# Allegro board LED_FIN.brd (continued)
## Routing (per net, layer and track width the routed paths; a pad name or vN(x,y) marks a point on that pad's centre or on a via; arc(x,y) is an arc through that point) (continued)
ROW_OUT_A4: length 240
  TOP w0.6: U34.1 38.35,327.7 D991.3 D992.3 D993.3 D994.3 D995.3 D996.3 D997.3 D998.3 D999.3 D1000.3 D1001.3 D1002.3 D1003.3 D1004.3 D1005.3 D1006.3 D1007.3 D1008.3 D1009.3 D1010.3 D1011.3 D1012.3 D1013.3 D1014.3 D1015.3 D1016.3 D1017.3 D1018.3 D1019.3 D1020.3 D2131.3 D2132.3 D2133.3 D2134.3 D2135.3 D2136.3 D2137.3 D2138.3 D2139.3 D2140.3 D2141.3 D2142.3 D2143.3 D2144.3 D2145.3 D2146.3 D2147.3 D2148.3 D2149.3 D2150.3 D2151.3 D2152.3 D2153.3 D2154.3 D2155.3 D2156.3 D2157.3 D2158.3 D2159.3 D2160.3 D3271.3 D3272.3 D3273.3 D3274.3 D3275.3 D3276.3 D3277.3 D3278.3 D3279.3 D3280.3 D3281.3 D3282.3 D3283.3 D3284.3 D3285.3 D3286.3 D3287.3 D3288.3 D3289.3 D3290.3 D3291.3 D3292.3 D3293.3 D3294.3 D3295.3 D3296.3 D3297.3 D3298.3 D3299.3 D3300.3 D4411.3 D4412.3 D4413.3 D4414.3 D4415.3 D4416.3 D4417.3 D4418.3 D4419.3 D4420.3 D4421.3 D4422.3 D4423.3 D4424.3 D4425.3 D4426.3 D4427.3 D4428.3 D4429.3 D4430.3 D4431.3 D4432.3 D4433.3 D4434.3 D4435.3 D4436.3 D4437.3 D4438.3 D4439.3 D4440.3
ROW_OUT_A5: length 240
  TOP w0.6: U33.1 38.35,329.7 D961.3 D962.3 D963.3 D964.3 D965.3 D966.3 D967.3 D968.3 D969.3 D970.3 D971.3 D972.3 D973.3 D974.3 D975.3 D976.3 D977.3 D978.3 D979.3 D980.3 D981.3 D982.3 D983.3 D984.3 D985.3 D986.3 D987.3 D988.3 D989.3 D990.3 D2101.3 D2102.3 D2103.3 D2104.3 D2105.3 D2106.3 D2107.3 D2108.3 D2109.3 D2110.3 D2111.3 D2112.3 D2113.3 D2114.3 D2115.3 D2116.3 D2117.3 D2118.3 D2119.3 D2120.3 D2121.3 D2122.3 D2123.3 D2124.3 D2125.3 D2126.3 D2127.3 D2128.3 D2129.3 D2130.3 D3241.3 D3242.3 D3243.3 D3244.3 D3245.3 D3246.3 D3247.3 D3248.3 D3249.3 D3250.3 D3251.3 D3252.3 D3253.3 D3254.3 D3255.3 D3256.3 D3257.3 D3258.3 D3259.3 D3260.3 D3261.3 D3262.3 D3263.3 D3264.3 D3265.3 D3266.3 D3267.3 D3268.3 D3269.3 D3270.3 D4381.3 D4382.3 D4383.3 D4384.3 D4385.3 D4386.3 D4387.3 D4388.3 D4389.3 D4390.3 D4391.3 D4392.3 D4393.3 D4394.3 D4395.3 D4396.3 D4397.3 D4398.3 D4399.3 D4400.3 D4401.3 D4402.3 D4403.3 D4404.3 D4405.3 D4406.3 D4407.3 D4408.3 D4409.3 D4410.3
ROW_OUT_A6: length 240
  TOP w0.6: U32.1 38.35,331.7 D931.3 D932.3 D933.3 D934.3 D935.3 D936.3 D937.3 D938.3 D939.3 D940.3 D941.3 D942.3 D943.3 D944.3 D945.3 D946.3 D947.3 D948.3 D949.3 D950.3 D951.3 D952.3 D953.3 D954.3 D955.3 D956.3 D957.3 D958.3 D959.3 D960.3 D2071.3 D2072.3 D2073.3 D2074.3 D2075.3 D2076.3 D2077.3 D2078.3 D2079.3 D2080.3 D2081.3 D2082.3 D2083.3 D2084.3 D2085.3 D2086.3 D2087.3 D2088.3 D2089.3 D2090.3 D2091.3 D2092.3 D2093.3 D2094.3 D2095.3 D2096.3 D2097.3 D2098.3 D2099.3 D2100.3 D3211.3 D3212.3 D3213.3 D3214.3 D3215.3 D3216.3 D3217.3 D3218.3 D3219.3 D3220.3 D3221.3 D3222.3 D3223.3 D3224.3 D3225.3 D3226.3 D3227.3 D3228.3 D3229.3 D3230.3 D3231.3 D3232.3 D3233.3 D3234.3 D3235.3 D3236.3 D3237.3 D3238.3 D3239.3 D3240.3 D4351.3 D4352.3 D4353.3 D4354.3 D4355.3 D4356.3 D4357.3 D4358.3 D4359.3 D4360.3 D4361.3 D4362.3 D4363.3 D4364.3 D4365.3 D4366.3 D4367.3 D4368.3 D4369.3 D4370.3 D4371.3 D4372.3 D4373.3 D4374.3 D4375.3 D4376.3 D4377.3 D4378.3 D4379.3 D4380.3
ROW_OUT_A7: length 240
  TOP w0.6: D4350.3 D4349.3 D4348.3 D4347.3 D4346.3 D4345.3 D4344.3 D4343.3 D4342.3 D4341.3 D4340.3 D4339.3 D4338.3 D4337.3 D4336.3 D4335.3 D4334.3 D4333.3 D4332.3 D4331.3 D4330.3 D4329.3 D4328.3 D4327.3 D4326.3 D4325.3 D4324.3 D4323.3 D4322.3 D4321.3 D3210.3 D3209.3 D3208.3 D3207.3 D3206.3 D3205.3 D3204.3 D3203.3 D3202.3 D3201.3 D3200.3 D3199.3 D3198.3 D3197.3 D3196.3 D3195.3 D3194.3 D3193.3 D3192.3 D3191.3 D3190.3 D3189.3 D3188.3 D3187.3 D3186.3 D3185.3 D3184.3 D3183.3 D3182.3 D3181.3 D2070.3 D2069.3 D2068.3 D2067.3 D2066.3 D2065.3 D2064.3 D2063.3 D2062.3 D2061.3 D2060.3 D2059.3 D2058.3 D2057.3 D2056.3 D2055.3 D2054.3 D2053.3 D2052.3 D2051.3 D2050.3 D2049.3 D2048.3 D2047.3 D2046.3 D2045.3 D2044.3 D2043.3 D2042.3 D2041.3 D930.3 D929.3 D928.3 D927.3 D926.3 D925.3 D924.3 D923.3 D922.3 D921.3 D920.3 D919.3 D918.3 D917.3 D916.3 D915.3 D914.3 D913.3 D912.3 D911.3 D910.3 D909.3 D908.3 D907.3 D906.3 D905.3 D904.3 D903.3 D902.3 D901.3 38.35,333.7 U31.1
ROW_OUT_A8: length 240
  TOP w0.6: D4320.3 D4319.3 D4318.3 D4317.3 D4316.3 D4315.3 D4314.3 D4313.3 D4312.3 D4311.3 D4310.3 D4309.3 D4308.3 D4307.3 D4306.3 D4305.3 D4304.3 D4303.3 D4302.3 D4301.3 D4300.3 D4299.3 D4298.3 D4297.3 D4296.3 D4295.3 D4294.3 D4293.3 D4292.3 D4291.3 D3180.3 D3179.3 D3178.3 D3177.3 D3176.3 D3175.3 D3174.3 D3173.3 D3172.3 D3171.3 D3170.3 D3169.3 D3168.3 D3167.3 D3166.3 D3165.3 D3164.3 D3163.3 D3162.3 D3161.3 D3160.3 D3159.3 D3158.3 D3157.3 D3156.3 D3155.3 D3154.3 D3153.3 D3152.3 D3151.3 D2040.3 D2039.3 D2038.3 D2037.3 D2036.3 D2035.3 D2034.3 D2033.3 D2032.3 D2031.3 D2030.3 D2029.3 D2028.3 D2027.3 D2026.3 D2025.3 D2024.3 D2023.3 D2022.3 D2021.3 D2020.3 D2019.3 D2018.3 D2017.3 D2016.3 D2015.3 D2014.3 D2013.3 D2012.3 D2011.3 D900.3 D899.3 D898.3 D897.3 D896.3 D895.3 D894.3 D893.3 D892.3 D891.3 D890.3 D889.3 D888.3 D887.3 D886.3 D885.3 D884.3 D883.3 D882.3 D881.3 D880.3 D879.3 D878.3 D877.3 D876.3 D875.3 D874.3 D873.3 D872.3 D871.3 38.35,335.7 U30.1
ROW_OUT_A9: length 240
  TOP w0.6: D4290.3 D4289.3 D4288.3 D4287.3 D4286.3 D4285.3 D4284.3 D4283.3 D4282.3 D4281.3 D4280.3 D4279.3 D4278.3 D4277.3 D4276.3 D4275.3 D4274.3 D4273.3 D4272.3 D4271.3 D4270.3 D4269.3 D4268.3 D4267.3 D4266.3 D4265.3 D4264.3 D4263.3 D4262.3 D4261.3 D3150.3 D3149.3 D3148.3 D3147.3 D3146.3 D3145.3 D3144.3 D3143.3 D3142.3 D3141.3 D3140.3 D3139.3 D3138.3 D3137.3 D3136.3 D3135.3 D3134.3 D3133.3 D3132.3 D3131.3 D3130.3 D3129.3 D3128.3 D3127.3 D3126.3 D3125.3 D3124.3 D3123.3 D3122.3 D3121.3 D2010.3 D2009.3 D2008.3 D2007.3 D2006.3 D2005.3 D2004.3 D2003.3 D2002.3 D2001.3 D2000.3 D1999.3 D1998.3 D1997.3 D1996.3 D1995.3 D1994.3 D1993.3 D1992.3 D1991.3 D1990.3 D1989.3 D1988.3 D1987.3 D1986.3 D1985.3 D1984.3 D1983.3 D1982.3 D1981.3 D870.3 D869.3 D868.3 D867.3 D866.3 D865.3 D864.3 D863.3 D862.3 D861.3 D860.3 D859.3 D858.3 D857.3 D856.3 D855.3 D854.3 D853.3 D852.3 D851.3 D850.3 D849.3 D848.3 D847.3 D846.3 D845.3 D844.3 D843.3 D842.3 D841.3 38.35,337.7 U29.1
ROW_OUT_A10: length 240
  TOP w0.6: D4260.3 D4259.3 D4258.3 D4257.3 D4256.3 D4255.3 D4254.3 D4253.3 D4252.3 D4251.3 D4250.3 D4249.3 D4248.3 D4247.3 D4246.3 D4245.3 D4244.3 D4243.3 D4242.3 D4241.3 D4240.3 D4239.3 D4238.3 D4237.3 D4236.3 D4235.3 D4234.3 D4233.3 D4232.3 D4231.3 D3120.3 D3119.3 D3118.3 D3117.3 D3116.3 D3115.3 D3114.3 D3113.3 D3112.3 D3111.3 D3110.3 D3109.3 D3108.3 D3107.3 D3106.3 D3105.3 D3104.3 D3103.3 D3102.3 D3101.3 D3100.3 D3099.3 D3098.3 D3097.3 D3096.3 D3095.3 D3094.3 D3093.3 D3092.3 D3091.3 D1980.3 D1979.3 D1978.3 D1977.3 D1976.3 D1975.3 D1974.3 D1973.3 D1972.3 D1971.3 D1970.3 D1969.3 D1968.3 D1967.3 D1966.3 D1965.3 D1964.3 D1963.3 D1962.3 D1961.3 D1960.3 D1959.3 D1958.3 D1957.3 D1956.3 D1955.3 D1954.3 D1953.3 D1952.3 D1951.3 D840.3 D839.3 D838.3 D837.3 D836.3 D835.3 D834.3 D833.3 D832.3 D831.3 D830.3 D829.3 D828.3 D827.3 D826.3 D825.3 D824.3 D823.3 D822.3 D821.3 D820.3 D819.3 D818.3 D817.3 D816.3 D815.3 D814.3 D813.3 D812.3 D811.3 38.35,339.7 U28.1
ROW_OUT_A11: length 240
  TOP w0.6: U27.1 38.35,341.7 D781.3 D782.3 D783.3 D784.3 D785.3 D786.3 D787.3 D788.3 D789.3 D790.3 D791.3 D792.3 D793.3 D794.3 D795.3 D796.3 D797.3 D798.3 D799.3 D800.3 D801.3 D802.3 D803.3 D804.3 D805.3 D806.3 D807.3 D808.3 D809.3 D810.3 D1921.3 D1922.3 D1923.3 D1924.3 D1925.3 D1926.3 D1927.3 D1928.3 D1929.3 D1930.3 D1931.3 D1932.3 D1933.3 D1934.3 D1935.3 D1936.3 D1937.3 D1938.3 D1939.3 D1940.3 D1941.3 D1942.3 D1943.3 D1944.3 D1945.3 D1946.3 D1947.3 D1948.3 D1949.3 D1950.3 D3061.3 D3062.3 D3063.3 D3064.3 D3065.3 D3066.3 D3067.3 D3068.3 D3069.3 D3070.3 D3071.3 D3072.3 D3073.3 D3074.3 D3075.3 D3076.3 D3077.3 D3078.3 D3079.3 D3080.3 D3081.3 D3082.3 D3083.3 D3084.3 D3085.3 D3086.3 D3087.3 D3088.3 D3089.3 D3090.3 D4201.3 D4202.3 D4203.3 D4204.3 D4205.3 D4206.3 D4207.3 D4208.3 D4209.3 D4210.3 D4211.3 D4212.3 D4213.3 D4214.3 D4215.3 D4216.3 D4217.3 D4218.3 D4219.3 D4220.3 D4221.3 D4222.3 D4223.3 D4224.3 D4225.3 D4226.3 D4227.3 D4228.3 D4229.3 D4230.3
ROW_OUT_A12: length 240
  TOP w0.6: U26.1 38.35,343.7 D751.3 D752.3 D753.3 D754.3 D755.3 D756.3 D757.3 D758.3 D759.3 D760.3 D761.3 D762.3 D763.3 D764.3 D765.3 D766.3 D767.3 D768.3 D769.3 D770.3 D771.3 D772.3 D773.3 D774.3 D775.3 D776.3 D777.3 D778.3 D779.3 D780.3 D1891.3 D1892.3 D1893.3 D1894.3 D1895.3 D1896.3 D1897.3 D1898.3 D1899.3 D1900.3 D1901.3 D1902.3 D1903.3 D1904.3 D1905.3 D1906.3 D1907.3 D1908.3 D1909.3 D1910.3 D1911.3 D1912.3 D1913.3 D1914.3 D1915.3 D1916.3 D1917.3 D1918.3 D1919.3 D1920.3 D3031.3 D3032.3 D3033.3 D3034.3 D3035.3 D3036.3 D3037.3 D3038.3 D3039.3 D3040.3 D3041.3 D3042.3 D3043.3 D3044.3 D3045.3 D3046.3 D3047.3 D3048.3 D3049.3 D3050.3 D3051.3 D3052.3 D3053.3 D3054.3 D3055.3 D3056.3 D3057.3 D3058.3 D3059.3 D3060.3 D4171.3 D4172.3 D4173.3 D4174.3 D4175.3 D4176.3 D4177.3 D4178.3 D4179.3 D4180.3 D4181.3 D4182.3 D4183.3 D4184.3 D4185.3 D4186.3 D4187.3 D4188.3 D4189.3 D4190.3 D4191.3 D4192.3 D4193.3 D4194.3 D4195.3 D4196.3 D4197.3 D4198.3 D4199.3 D4200.3
ROW_OUT_A13: length 240
  TOP w0.6: U25.1 38.35,345.7 D721.3 D722.3 D723.3 D724.3 D725.3 D726.3 D727.3 D728.3 D729.3 D730.3 D731.3 D732.3 D733.3 D734.3 D735.3 D736.3 D737.3 D738.3 D739.3 D740.3 D741.3 D742.3 D743.3 D744.3 D745.3 D746.3 D747.3 D748.3 D749.3 D750.3 D1861.3 D1862.3 D1863.3 D1864.3 D1865.3 D1866.3 D1867.3 D1868.3 D1869.3 D1870.3 D1871.3 D1872.3 D1873.3 D1874.3 D1875.3 D1876.3 D1877.3 D1878.3 D1879.3 D1880.3 D1881.3 D1882.3 D1883.3 D1884.3 D1885.3 D1886.3 D1887.3 D1888.3 D1889.3 D1890.3 D3001.3 D3002.3 D3003.3 D3004.3 D3005.3 D3006.3 D3007.3 D3008.3 D3009.3 D3010.3 D3011.3 D3012.3 D3013.3 D3014.3 D3015.3 D3016.3 D3017.3 D3018.3 D3019.3 D3020.3 D3021.3 D3022.3 D3023.3 D3024.3 D3025.3 D3026.3 D3027.3 D3028.3 D3029.3 D3030.3 D4141.3 D4142.3 D4143.3 D4144.3 D4145.3 D4146.3 D4147.3 D4148.3 D4149.3 D4150.3 D4151.3 D4152.3 D4153.3 D4154.3 D4155.3 D4156.3 D4157.3 D4158.3 D4159.3 D4160.3 D4161.3 D4162.3 D4163.3 D4164.3 D4165.3 D4166.3 D4167.3 D4168.3 D4169.3 D4170.3
ROW_OUT_A14: length 240
  TOP w0.6: D4140.3 D4139.3 D4138.3 D4137.3 D4136.3 D4135.3 D4134.3 D4133.3 D4132.3 D4131.3 D4130.3 D4129.3 D4128.3 D4127.3 D4126.3 D4125.3 D4124.3 D4123.3 D4122.3 D4121.3 D4120.3 D4119.3 D4118.3 D4117.3 D4116.3 D4115.3 D4114.3 D4113.3 D4112.3 D4111.3 D3000.3 D2999.3 D2998.3 D2997.3 D2996.3 D2995.3 D2994.3 D2993.3 D2992.3 D2991.3 D2990.3 D2989.3 D2988.3 D2987.3 D2986.3 D2985.3 D2984.3 D2983.3 D2982.3 D2981.3 D2980.3 D2979.3 D2978.3 D2977.3 D2976.3 D2975.3 D2974.3 D2973.3 D2972.3 D2971.3 D1860.3 D1859.3 D1858.3 D1857.3 D1856.3 D1855.3 D1854.3 D1853.3 D1852.3 D1851.3 D1850.3 D1849.3 D1848.3 D1847.3 D1846.3 D1845.3 D1844.3 D1843.3 D1842.3 D1841.3 D1840.3 D1839.3 D1838.3 D1837.3 D1836.3 D1835.3 D1834.3 D1833.3 D1832.3 D1831.3 D720.3 D719.3 D718.3 D717.3 D716.3 D715.3 D714.3 D713.3 D712.3 D711.3 D710.3 D709.3 D708.3 D707.3 D706.3 D705.3 D704.3 D703.3 D702.3 D701.3 D700.3 D699.3 D698.3 D697.3 D696.3 D695.3 D694.3 D693.3 D692.3 D691.3 38.35,347.7 U24.1
ROW_OUT_A15: length 240
  TOP w0.6: D4110.3 D4109.3 D4108.3 D4107.3 D4106.3 D4105.3 D4104.3 D4103.3 D4102.3 D4101.3 D4100.3 D4099.3 D4098.3 D4097.3 D4096.3 D4095.3 D4094.3 D4093.3 D4092.3 D4091.3 D4090.3 D4089.3 D4088.3 D4087.3 D4086.3 D4085.3 D4084.3 D4083.3 D4082.3 D4081.3 D2970.3 D2969.3 D2968.3 D2967.3 D2966.3 D2965.3 D2964.3 D2963.3 D2962.3 D2961.3 D2960.3 D2959.3 D2958.3 D2957.3 D2956.3 D2955.3 D2954.3 D2953.3 D2952.3 D2951.3 D2950.3 D2949.3 D2948.3 D2947.3 D2946.3 D2945.3 D2944.3 D2943.3 D2942.3 D2941.3 D1830.3 D1829.3 D1828.3 D1827.3 D1826.3 D1825.3 D1824.3 D1823.3 D1822.3 D1821.3 D1820.3 D1819.3 D1818.3 D1817.3 D1816.3 D1815.3 D1814.3 D1813.3 D1812.3 D1811.3 D1810.3 D1809.3 D1808.3 D1807.3 D1806.3 D1805.3 D1804.3 D1803.3 D1802.3 D1801.3 D690.3 D689.3 D688.3 D687.3 D686.3 D685.3 D684.3 D683.3 D682.3 D681.3 D680.3 D679.3 D678.3 D677.3 D676.3 D675.3 D674.3 D673.3 D672.3 D671.3 D670.3 D669.3 D668.3 D667.3 D666.3 D665.3 D664.3 D663.3 D662.3 D661.3 38.35,349.7 U23.1
ROW_OUT_A16: length 240
  TOP w0.6: D4080.3 D4079.3 D4078.3 D4077.3 D4076.3 D4075.3 D4074.3 D4073.3 D4072.3 D4071.3 D4070.3 D4069.3 D4068.3 D4067.3 D4066.3 D4065.3 D4064.3 D4063.3 D4062.3 D4061.3 D4060.3 D4059.3 D4058.3 D4057.3 D4056.3 D4055.3 D4054.3 D4053.3 D4052.3 D4051.3 D2940.3 D2939.3 D2938.3 D2937.3 D2936.3 D2935.3 D2934.3 D2933.3 D2932.3 D2931.3 D2930.3 D2929.3 D2928.3 D2927.3 D2926.3 D2925.3 D2924.3 D2923.3 D2922.3 D2921.3 D2920.3 D2919.3 D2918.3 D2917.3 D2916.3 D2915.3 D2914.3 D2913.3 D2912.3 D2911.3 D1800.3 D1799.3 D1798.3 D1797.3 D1796.3 D1795.3 D1794.3 D1793.3 D1792.3 D1791.3 D1790.3 D1789.3 D1788.3 D1787.3 D1786.3 D1785.3 D1784.3 D1783.3 D1782.3 D1781.3 D1780.3 D1779.3 D1778.3 D1777.3 D1776.3 D1775.3 D1774.3 D1773.3 D1772.3 D1771.3 D660.3 D659.3 D658.3 D657.3 D656.3 D655.3 D654.3 D653.3 D652.3 D651.3 D650.3 D649.3 D648.3 D647.3 D646.3 D645.3 D644.3 D643.3 D642.3 D641.3 D640.3 D639.3 D638.3 D637.3 D636.3 D635.3 D634.3 D633.3 D632.3 D631.3 38.35,351.7 U22.1
ROW_OUT_A17: length 240
  TOP w0.6: D4050.3 D4049.3 D4048.3 D4047.3 D4046.3 D4045.3 D4044.3 D4043.3 D4042.3 D4041.3 D4040.3 D4039.3 D4038.3 D4037.3 D4036.3 D4035.3 D4034.3 D4033.3 D4032.3 D4031.3 D4030.3 D4029.3 D4028.3 D4027.3 D4026.3 D4025.3 D4024.3 D4023.3 D4022.3 D4021.3 D2910.3 D2909.3 D2908.3 D2907.3 D2906.3 D2905.3 D2904.3 D2903.3 D2902.3 D2901.3 D2900.3 D2899.3 D2898.3 D2897.3 D2896.3 D2895.3 D2894.3 D2893.3 D2892.3 D2891.3 D2890.3 D2889.3 D2888.3 D2887.3 D2886.3 D2885.3 D2884.3 D2883.3 D2882.3 D2881.3 D1770.3 D1769.3 D1768.3 D1767.3 D1766.3 D1765.3 D1764.3 D1763.3 D1762.3 D1761.3 D1760.3 D1759.3 D1758.3 D1757.3 D1756.3 D1755.3 D1754.3 D1753.3 D1752.3 D1751.3 D1750.3 D1749.3 D1748.3 D1747.3 D1746.3 D1745.3 D1744.3 D1743.3 D1742.3 D1741.3 D630.3 D629.3 D628.3 D627.3 D626.3 D625.3 D624.3 D623.3 D622.3 D621.3 D620.3 D619.3 D618.3 D617.3 D616.3 D615.3 D614.3 D613.3 D612.3 D611.3 D610.3 D609.3 D608.3 D607.3 D606.3 D605.3 D604.3 D603.3 D602.3 D601.3 38.35,353.7 U21.1
ROW_OUT_A18: length 240
  TOP w0.6: U20.1 38.35,355.7 D571.3 D572.3 D573.3 D574.3 D575.3 D576.3 D577.3 D578.3 D579.3 D580.3 D581.3 D582.3 D583.3 D584.3 D585.3 D586.3 D587.3 D588.3 D589.3 D590.3 D591.3 D592.3 D593.3 D594.3 D595.3 D596.3 D597.3 D598.3 D599.3 D600.3 D1711.3 D1712.3 D1713.3 D1714.3 D1715.3 D1716.3 D1717.3 D1718.3 D1719.3 D1720.3 D1721.3 D1722.3 D1723.3 D1724.3 D1725.3 D1726.3 D1727.3 D1728.3 D1729.3 D1730.3 D1731.3 D1732.3 D1733.3 D1734.3 D1735.3 D1736.3 D1737.3 D1738.3 D1739.3 D1740.3 D2851.3 D2852.3 D2853.3 D2854.3 D2855.3 D2856.3 D2857.3 D2858.3 D2859.3 D2860.3 D2861.3 D2862.3 D2863.3 D2864.3 D2865.3 D2866.3 D2867.3 D2868.3 D2869.3 D2870.3 D2871.3 D2872.3 D2873.3 D2874.3 D2875.3 D2876.3 D2877.3 D2878.3 D2879.3 D2880.3 D3991.3 D3992.3 D3993.3 D3994.3 D3995.3 D3996.3 D3997.3 D3998.3 D3999.3 D4000.3 D4001.3 D4002.3 D4003.3 D4004.3 D4005.3 D4006.3 D4007.3 D4008.3 D4009.3 D4010.3 D4011.3 D4012.3 D4013.3 D4014.3 D4015.3 D4016.3 D4017.3 D4018.3 D4019.3 D4020.3
ROW_OUT_A19: length 240
  TOP w0.6: D3990.3 D3989.3 D3988.3 D3987.3 D3986.3 D3985.3 D3984.3 D3983.3 D3982.3 D3981.3 D3980.3 D3979.3 D3978.3 D3977.3 D3976.3 D3975.3 D3974.3 D3973.3 D3972.3 D3971.3 D3970.3 D3969.3 D3968.3 D3967.3 D3966.3 D3965.3 D3964.3 D3963.3 D3962.3 D3961.3 D2850.3 D2849.3 D2848.3 D2847.3 D2846.3 D2845.3 D2844.3 D2843.3 D2842.3 D2841.3 D2840.3 D2839.3 D2838.3 D2837.3 D2836.3 D2835.3 D2834.3 D2833.3 D2832.3 D2831.3 D2830.3 D2829.3 D2828.3 D2827.3 D2826.3 D2825.3 D2824.3 D2823.3 D2822.3 D2821.3 D1710.3 D1709.3 D1708.3 D1707.3 D1706.3 D1705.3 D1704.3 D1703.3 D1702.3 D1701.3 D1700.3 D1699.3 D1698.3 D1697.3 D1696.3 D1695.3 D1694.3 D1693.3 D1692.3 D1691.3 D1690.3 D1689.3 D1688.3 D1687.3 D1686.3 D1685.3 D1684.3 D1683.3 D1682.3 D1681.3 D570.3 D569.3 D568.3 D567.3 D566.3 D565.3 D564.3 D563.3 D562.3 D561.3 D560.3 D559.3 D558.3 D557.3 D556.3 D555.3 D554.3 D553.3 D552.3 D551.3 D550.3 D549.3 D548.3 D547.3 D546.3 D545.3 D544.3 D543.3 D542.3 D541.3 38.35,357.7 U19.1
ROW_OUT_A20: length 240
  TOP w0.6: U18.1 38.35,359.7 D511.3 D512.3 D513.3 D514.3 D515.3 D516.3 D517.3 D518.3 D519.3 D520.3 D521.3 D522.3 D523.3 D524.3 D525.3 D526.3 D527.3 D528.3 D529.3 D530.3 D531.3 D532.3 D533.3 D534.3 D535.3 D536.3 D537.3 D538.3 D539.3 D540.3 D1651.3 D1652.3 D1653.3 D1654.3 D1655.3 D1656.3 D1657.3 D1658.3 D1659.3 D1660.3 D1661.3 D1662.3 D1663.3 D1664.3 D1665.3 D1666.3 D1667.3 D1668.3 D1669.3 D1670.3 D1671.3 D1672.3 D1673.3 D1674.3 D1675.3 D1676.3 D1677.3 D1678.3 D1679.3 D1680.3 D2791.3 D2792.3 D2793.3 D2794.3 D2795.3 D2796.3 D2797.3 D2798.3 D2799.3 D2800.3 D2801.3 D2802.3 D2803.3 D2804.3 D2805.3 D2806.3 D2807.3 D2808.3 D2809.3 D2810.3 D2811.3 D2812.3 D2813.3 D2814.3 D2815.3 D2816.3 D2817.3 D2818.3 D2819.3 D2820.3 D3931.3 D3932.3 D3933.3 D3934.3 D3935.3 D3936.3 D3937.3 D3938.3 D3939.3 D3940.3 D3941.3 D3942.3 D3943.3 D3944.3 D3945.3 D3946.3 D3947.3 D3948.3 D3949.3 D3950.3 D3951.3 D3952.3 D3953.3 D3954.3 D3955.3 D3956.3 D3957.3 D3958.3 D3959.3 D3960.3
ROW_OUT_A21: length 240
  TOP w0.6: D3930.3 D3929.3 D3928.3 D3927.3 D3926.3 D3925.3 D3924.3 D3923.3 D3922.3 D3921.3 D3920.3 D3919.3 D3918.3 D3917.3 D3916.3 D3915.3 D3914.3 D3913.3 D3912.3 D3911.3 D3910.3 D3909.3 D3908.3 D3907.3 D3906.3 D3905.3 D3904.3 D3903.3 D3902.3 D3901.3 D2790.3 D2789.3 D2788.3 D2787.3 D2786.3 D2785.3 D2784.3 D2783.3 D2782.3 D2781.3 D2780.3 D2779.3 D2778.3 D2777.3 D2776.3 D2775.3 D2774.3 D2773.3 D2772.3 D2771.3 D2770.3 D2769.3 D2768.3 D2767.3 D2766.3 D2765.3 D2764.3 D2763.3 D2762.3 D2761.3 D1650.3 D1649.3 D1648.3 D1647.3 D1646.3 D1645.3 D1644.3 D1643.3 D1642.3 D1641.3 D1640.3 D1639.3 D1638.3 D1637.3 D1636.3 D1635.3 D1634.3 D1633.3 D1632.3 D1631.3 D1630.3 D1629.3 D1628.3 D1627.3 D1626.3 D1625.3 D1624.3 D1623.3 D1622.3 D1621.3 D510.3 D509.3 D508.3 D507.3 D506.3 D505.3 D504.3 D503.3 D502.3 D501.3 D500.3 D499.3 D498.3 D497.3 D496.3 D495.3 D494.3 D493.3 D492.3 D491.3 D490.3 D489.3 D488.3 D487.3 D486.3 D485.3 D484.3 D483.3 D482.3 D481.3 38.35,361.7 U17.1
ROW_OUT_A22: length 240
  TOP w0.6: D3900.3 D3899.3 D3898.3 D3897.3 D3896.3 D3895.3 D3894.3 D3893.3 D3892.3 D3891.3 D3890.3 D3889.3 D3888.3 D3887.3 D3886.3 D3885.3 D3884.3 D3883.3 D3882.3 D3881.3 D3880.3 D3879.3 D3878.3 D3877.3 D3876.3 D3875.3 D3874.3 D3873.3 D3872.3 D3871.3 D2760.3 D2759.3 D2758.3 D2757.3 D2756.3 D2755.3 D2754.3 D2753.3 D2752.3 D2751.3 D2750.3 D2749.3 D2748.3 D2747.3 D2746.3 D2745.3 D2744.3 D2743.3 D2742.3 D2741.3 D2740.3 D2739.3 D2738.3 D2737.3 D2736.3 D2735.3 D2734.3 D2733.3 D2732.3 D2731.3 D1620.3 D1619.3 D1618.3 D1617.3 D1616.3 D1615.3 D1614.3 D1613.3 D1612.3 D1611.3 D1610.3 D1609.3 D1608.3 D1607.3 D1606.3 D1605.3 D1604.3 D1603.3 D1602.3 D1601.3 D1600.3 D1599.3 D1598.3 D1597.3 D1596.3 D1595.3 D1594.3 D1593.3 D1592.3 D1591.3 D480.3 D479.3 D478.3 D477.3 D476.3 D475.3 D474.3 D473.3 D472.3 D471.3 D470.3 D469.3 D468.3 D467.3 D466.3 D465.3 D464.3 D463.3 D462.3 D461.3 D460.3 D459.3 D458.3 D457.3 D456.3 D455.3 D454.3 D453.3 D452.3 D451.3 38.35,363.7 U16.1
ROW_OUT_A23: length 240
  TOP w0.6: U15.1 38.35,365.7 D421.3 D422.3 D423.3 D424.3 D425.3 D426.3 D427.3 D428.3 D429.3 D430.3 D431.3 D432.3 D433.3 D434.3 D435.3 D436.3 D437.3 D438.3 D439.3 D440.3 D441.3 D442.3 D443.3 D444.3 D445.3 D446.3 D447.3 D448.3 D449.3 D450.3 D1561.3 D1562.3 D1563.3 D1564.3 D1565.3 D1566.3 D1567.3 D1568.3 D1569.3 D1570.3 D1571.3 D1572.3 D1573.3 D1574.3 D1575.3 D1576.3 D1577.3 D1578.3 D1579.3 D1580.3 D1581.3 D1582.3 D1583.3 D1584.3 D1585.3 D1586.3 D1587.3 D1588.3 D1589.3 D1590.3 D2701.3 D2702.3 D2703.3 D2704.3 D2705.3 D2706.3 D2707.3 D2708.3 D2709.3 D2710.3 D2711.3 D2712.3 D2713.3 D2714.3 D2715.3 D2716.3 D2717.3 D2718.3 D2719.3 D2720.3 D2721.3 D2722.3 D2723.3 D2724.3 D2725.3 D2726.3 D2727.3 D2728.3 D2729.3 D2730.3 D3841.3 D3842.3 D3843.3 D3844.3 D3845.3 D3846.3 D3847.3 D3848.3 D3849.3 D3850.3 D3851.3 D3852.3 D3853.3 D3854.3 D3855.3 D3856.3 D3857.3 D3858.3 D3859.3 D3860.3 D3861.3 D3862.3 D3863.3 D3864.3 D3865.3 D3866.3 D3867.3 D3868.3 D3869.3 D3870.3
ROW_OUT_A24: length 240
  TOP w0.6: D3840.3 D3839.3 D3838.3 D3837.3 D3836.3 D3835.3 D3834.3 D3833.3 D3832.3 D3831.3 D3830.3 D3829.3 D3828.3 D3827.3 D3826.3 D3825.3 D3824.3 D3823.3 D3822.3 D3821.3 D3820.3 D3819.3 D3818.3 D3817.3 D3816.3 D3815.3 D3814.3 D3813.3 D3812.3 D3811.3 D2700.3 D2699.3 D2698.3 D2697.3 D2696.3 D2695.3 D2694.3 D2693.3 D2692.3 D2691.3 D2690.3 D2689.3 D2688.3 D2687.3 D2686.3 D2685.3 D2684.3 D2683.3 D2682.3 D2681.3 D2680.3 D2679.3 D2678.3 D2677.3 D2676.3 D2675.3 D2674.3 D2673.3 D2672.3 D2671.3 D1560.3 D1559.3 D1558.3 D1557.3 D1556.3 D1555.3 D1554.3 D1553.3 D1552.3 D1551.3 D1550.3 D1549.3 D1548.3 D1547.3 D1546.3 D1545.3 D1544.3 D1543.3 D1542.3 D1541.3 D1540.3 D1539.3 D1538.3 D1537.3 D1536.3 D1535.3 D1534.3 D1533.3 D1532.3 D1531.3 D420.3 D419.3 D418.3 D417.3 D416.3 D415.3 D414.3 D413.3 D412.3 D411.3 D410.3 D409.3 D408.3 D407.3 D406.3 D405.3 D404.3 D403.3 D402.3 D401.3 D400.3 D399.3 D398.3 D397.3 D396.3 D395.3 D394.3 D393.3 D392.3 D391.3 38.35,367.7 U14.1
ROW_OUT_A25: length 240
  TOP w0.6: D3810.3 D3809.3 D3808.3 D3807.3 D3806.3 D3805.3 D3804.3 D3803.3 D3802.3 D3801.3 D3800.3 D3799.3 D3798.3 D3797.3 D3796.3 D3795.3 D3794.3 D3793.3 D3792.3 D3791.3 D3790.3 D3789.3 D3788.3 D3787.3 D3786.3 D3785.3 D3784.3 D3783.3 D3782.3 D3781.3 D2670.3 D2669.3 D2668.3 D2667.3 D2666.3 D2665.3 D2664.3 D2663.3 D2662.3 D2661.3 D2660.3 D2659.3 D2658.3 D2657.3 D2656.3 D2655.3 D2654.3 D2653.3 D2652.3 D2651.3 D2650.3 D2649.3 D2648.3 D2647.3 D2646.3 D2645.3 D2644.3 D2643.3 D2642.3 D2641.3 D1530.3 D1529.3 D1528.3 D1527.3 D1526.3 D1525.3 D1524.3 D1523.3 D1522.3 D1521.3 D1520.3 D1519.3 D1518.3 D1517.3 D1516.3 D1515.3 D1514.3 D1513.3 D1512.3 D1511.3 D1510.3 D1509.3 D1508.3 D1507.3 D1506.3 D1505.3 D1504.3 D1503.3 D1502.3 D1501.3 D390.3 D389.3 D388.3 D387.3 D386.3 D385.3 D384.3 D383.3 D382.3 D381.3 D380.3 D379.3 D378.3 D377.3 D376.3 D375.3 D374.3 D373.3 D372.3 D371.3 D370.3 D369.3 D368.3 D367.3 D366.3 D365.3 D364.3 D363.3 D362.3 D361.3 38.35,369.7 U13.1
ROW_OUT_A26: length 240
  TOP w0.6: D3780.3 D3779.3 D3778.3 D3777.3 D3776.3 D3775.3 D3774.3 D3773.3 D3772.3 D3771.3 D3770.3 D3769.3 D3768.3 D3767.3 D3766.3 D3765.3 D3764.3 D3763.3 D3762.3 D3761.3 D3760.3 D3759.3 D3758.3 D3757.3 D3756.3 D3755.3 D3754.3 D3753.3 D3752.3 D3751.3 D2640.3 D2639.3 D2638.3 D2637.3 D2636.3 D2635.3 D2634.3 D2633.3 D2632.3 D2631.3 D2630.3 D2629.3 D2628.3 D2627.3 D2626.3 D2625.3 D2624.3 D2623.3 D2622.3 D2621.3 D2620.3 D2619.3 D2618.3 D2617.3 D2616.3 D2615.3 D2614.3 D2613.3 D2612.3 D2611.3 D1500.3 D1499.3 D1498.3 D1497.3 D1496.3 D1495.3 D1494.3 D1493.3 D1492.3 D1491.3 D1490.3 D1489.3 D1488.3 D1487.3 D1486.3 D1485.3 D1484.3 D1483.3 D1482.3 D1481.3 D1480.3 D1479.3 D1478.3 D1477.3 D1476.3 D1475.3 D1474.3 D1473.3 D1472.3 D1471.3 D360.3 D359.3 D358.3 D357.3 D356.3 D355.3 D354.3 D353.3 D352.3 D351.3 D350.3 D349.3 D348.3 D347.3 D346.3 D345.3 D344.3 D343.3 D342.3 D341.3 D340.3 D339.3 D338.3 D337.3 D336.3 D335.3 D334.3 D333.3 D332.3 D331.3 38.35,371.7 U12.1
ROW_OUT_A27: length 240
  TOP w0.6: D3750.3 D3749.3 D3748.3 D3747.3 D3746.3 D3745.3 D3744.3 D3743.3 D3742.3 D3741.3 D3740.3 D3739.3 D3738.3 D3737.3 D3736.3 D3735.3 D3734.3 D3733.3 D3732.3 D3731.3 D3730.3 D3729.3 D3728.3 D3727.3 D3726.3 D3725.3 D3724.3 D3723.3 D3722.3 D3721.3 D2610.3 D2609.3 D2608.3 D2607.3 D2606.3 D2605.3 D2604.3 D2603.3 D2602.3 D2601.3 D2600.3 D2599.3 D2598.3 D2597.3 D2596.3 D2595.3 D2594.3 D2593.3 D2592.3 D2591.3 D2590.3 D2589.3 D2588.3 D2587.3 D2586.3 D2585.3 D2584.3 D2583.3 D2582.3 D2581.3 D1470.3 D1469.3 D1468.3 D1467.3 D1466.3 D1465.3 D1464.3 D1463.3 D1462.3 D1461.3 D1460.3 D1459.3 D1458.3 D1457.3 D1456.3 D1455.3 D1454.3 D1453.3 D1452.3 D1451.3 D1450.3 D1449.3 D1448.3 D1447.3 D1446.3 D1445.3 D1444.3 D1443.3 D1442.3 D1441.3 D330.3 D329.3 D328.3 D327.3 D326.3 D325.3 D324.3 D323.3 D322.3 D321.3 D320.3 D319.3 D318.3 D317.3 D316.3 D315.3 D314.3 D313.3 D312.3 D311.3 D310.3 D309.3 D308.3 D307.3 D306.3 D305.3 D304.3 D303.3 D302.3 D301.3 38.35,373.7 U11.1
ROW_OUT_A28: length 240
  TOP w0.6: U10.1 38.35,375.7 D271.3 D272.3 D273.3 D274.3 D275.3 D276.3 D277.3 D278.3 D279.3 D280.3 D281.3 D282.3 D283.3 D284.3 D285.3 D286.3 D287.3 D288.3 D289.3 D290.3 D291.3 D292.3 D293.3 D294.3 D295.3 D296.3 D297.3 D298.3 D299.3 D300.3 D1411.3 D1412.3 D1413.3 D1414.3 D1415.3 D1416.3 D1417.3 D1418.3 D1419.3 D1420.3 D1421.3 D1422.3 D1423.3 D1424.3 D1425.3 D1426.3 D1427.3 D1428.3 D1429.3 D1430.3 D1431.3 D1432.3 D1433.3 D1434.3 D1435.3 D1436.3 D1437.3 D1438.3 D1439.3 D1440.3 D2551.3 D2552.3 D2553.3 D2554.3 D2555.3 D2556.3 D2557.3 D2558.3 D2559.3 D2560.3 D2561.3 D2562.3 D2563.3 D2564.3 D2565.3 D2566.3 D2567.3 D2568.3 D2569.3 D2570.3 D2571.3 D2572.3 D2573.3 D2574.3 D2575.3 D2576.3 D2577.3 D2578.3 D2579.3 D2580.3 D3691.3 D3692.3 D3693.3 D3694.3 D3695.3 D3696.3 D3697.3 D3698.3 D3699.3 D3700.3 D3701.3 D3702.3 D3703.3 D3704.3 D3705.3 D3706.3 D3707.3 D3708.3 D3709.3 D3710.3 D3711.3 D3712.3 D3713.3 D3714.3 D3715.3 D3716.3 D3717.3 D3718.3 D3719.3 D3720.3
ROW_OUT_A29: length 240
  TOP w0.6: U9.1 38.35,377.7 D241.3 D242.3 D243.3 D244.3 D245.3 D246.3 D247.3 D248.3 D249.3 D250.3 D251.3 D252.3 D253.3 D254.3 D255.3 D256.3 D257.3 D258.3 D259.3 D260.3 D261.3 D262.3 D263.3 D264.3 D265.3 D266.3 D267.3 D268.3 D269.3 D270.3 D1381.3 D1382.3 D1383.3 D1384.3 D1385.3 D1386.3 D1387.3 D1388.3 D1389.3 D1390.3 D1391.3 D1392.3 D1393.3 D1394.3 D1395.3 D1396.3 D1397.3 D1398.3 D1399.3 D1400.3 D1401.3 D1402.3 D1403.3 D1404.3 D1405.3 D1406.3 D1407.3 D1408.3 D1409.3 D1410.3 D2521.3 D2522.3 D2523.3 D2524.3 D2525.3 D2526.3 D2527.3 D2528.3 D2529.3 D2530.3 D2531.3 D2532.3 D2533.3 D2534.3 D2535.3 D2536.3 D2537.3 D2538.3 D2539.3 D2540.3 D2541.3 D2542.3 D2543.3 D2544.3 D2545.3 D2546.3 D2547.3 D2548.3 D2549.3 D2550.3 D3661.3 D3662.3 D3663.3 D3664.3 D3665.3 D3666.3 D3667.3 D3668.3 D3669.3 D3670.3 D3671.3 D3672.3 D3673.3 D3674.3 D3675.3 D3676.3 D3677.3 D3678.3 D3679.3 D3680.3 D3681.3 D3682.3 D3683.3 D3684.3 D3685.3 D3686.3 D3687.3 D3688.3 D3689.3 D3690.3